# Altium PCB main.PcbDoc (part 3 of 3)
Units mm, origin at the board's own origin, x right, y up, seen from the top; angles counter-clockwise.
Board outline 90 x 82 mm, 6 copper layers (Layer 1 SIG, Layer 2 GND, Layer 3 SIG, Layer 4 GND, Layer 5 GND, Layer 6 PWR), stack 1.548 mm thick; 228 components, 153 nets, 809 pads, 905 vias.
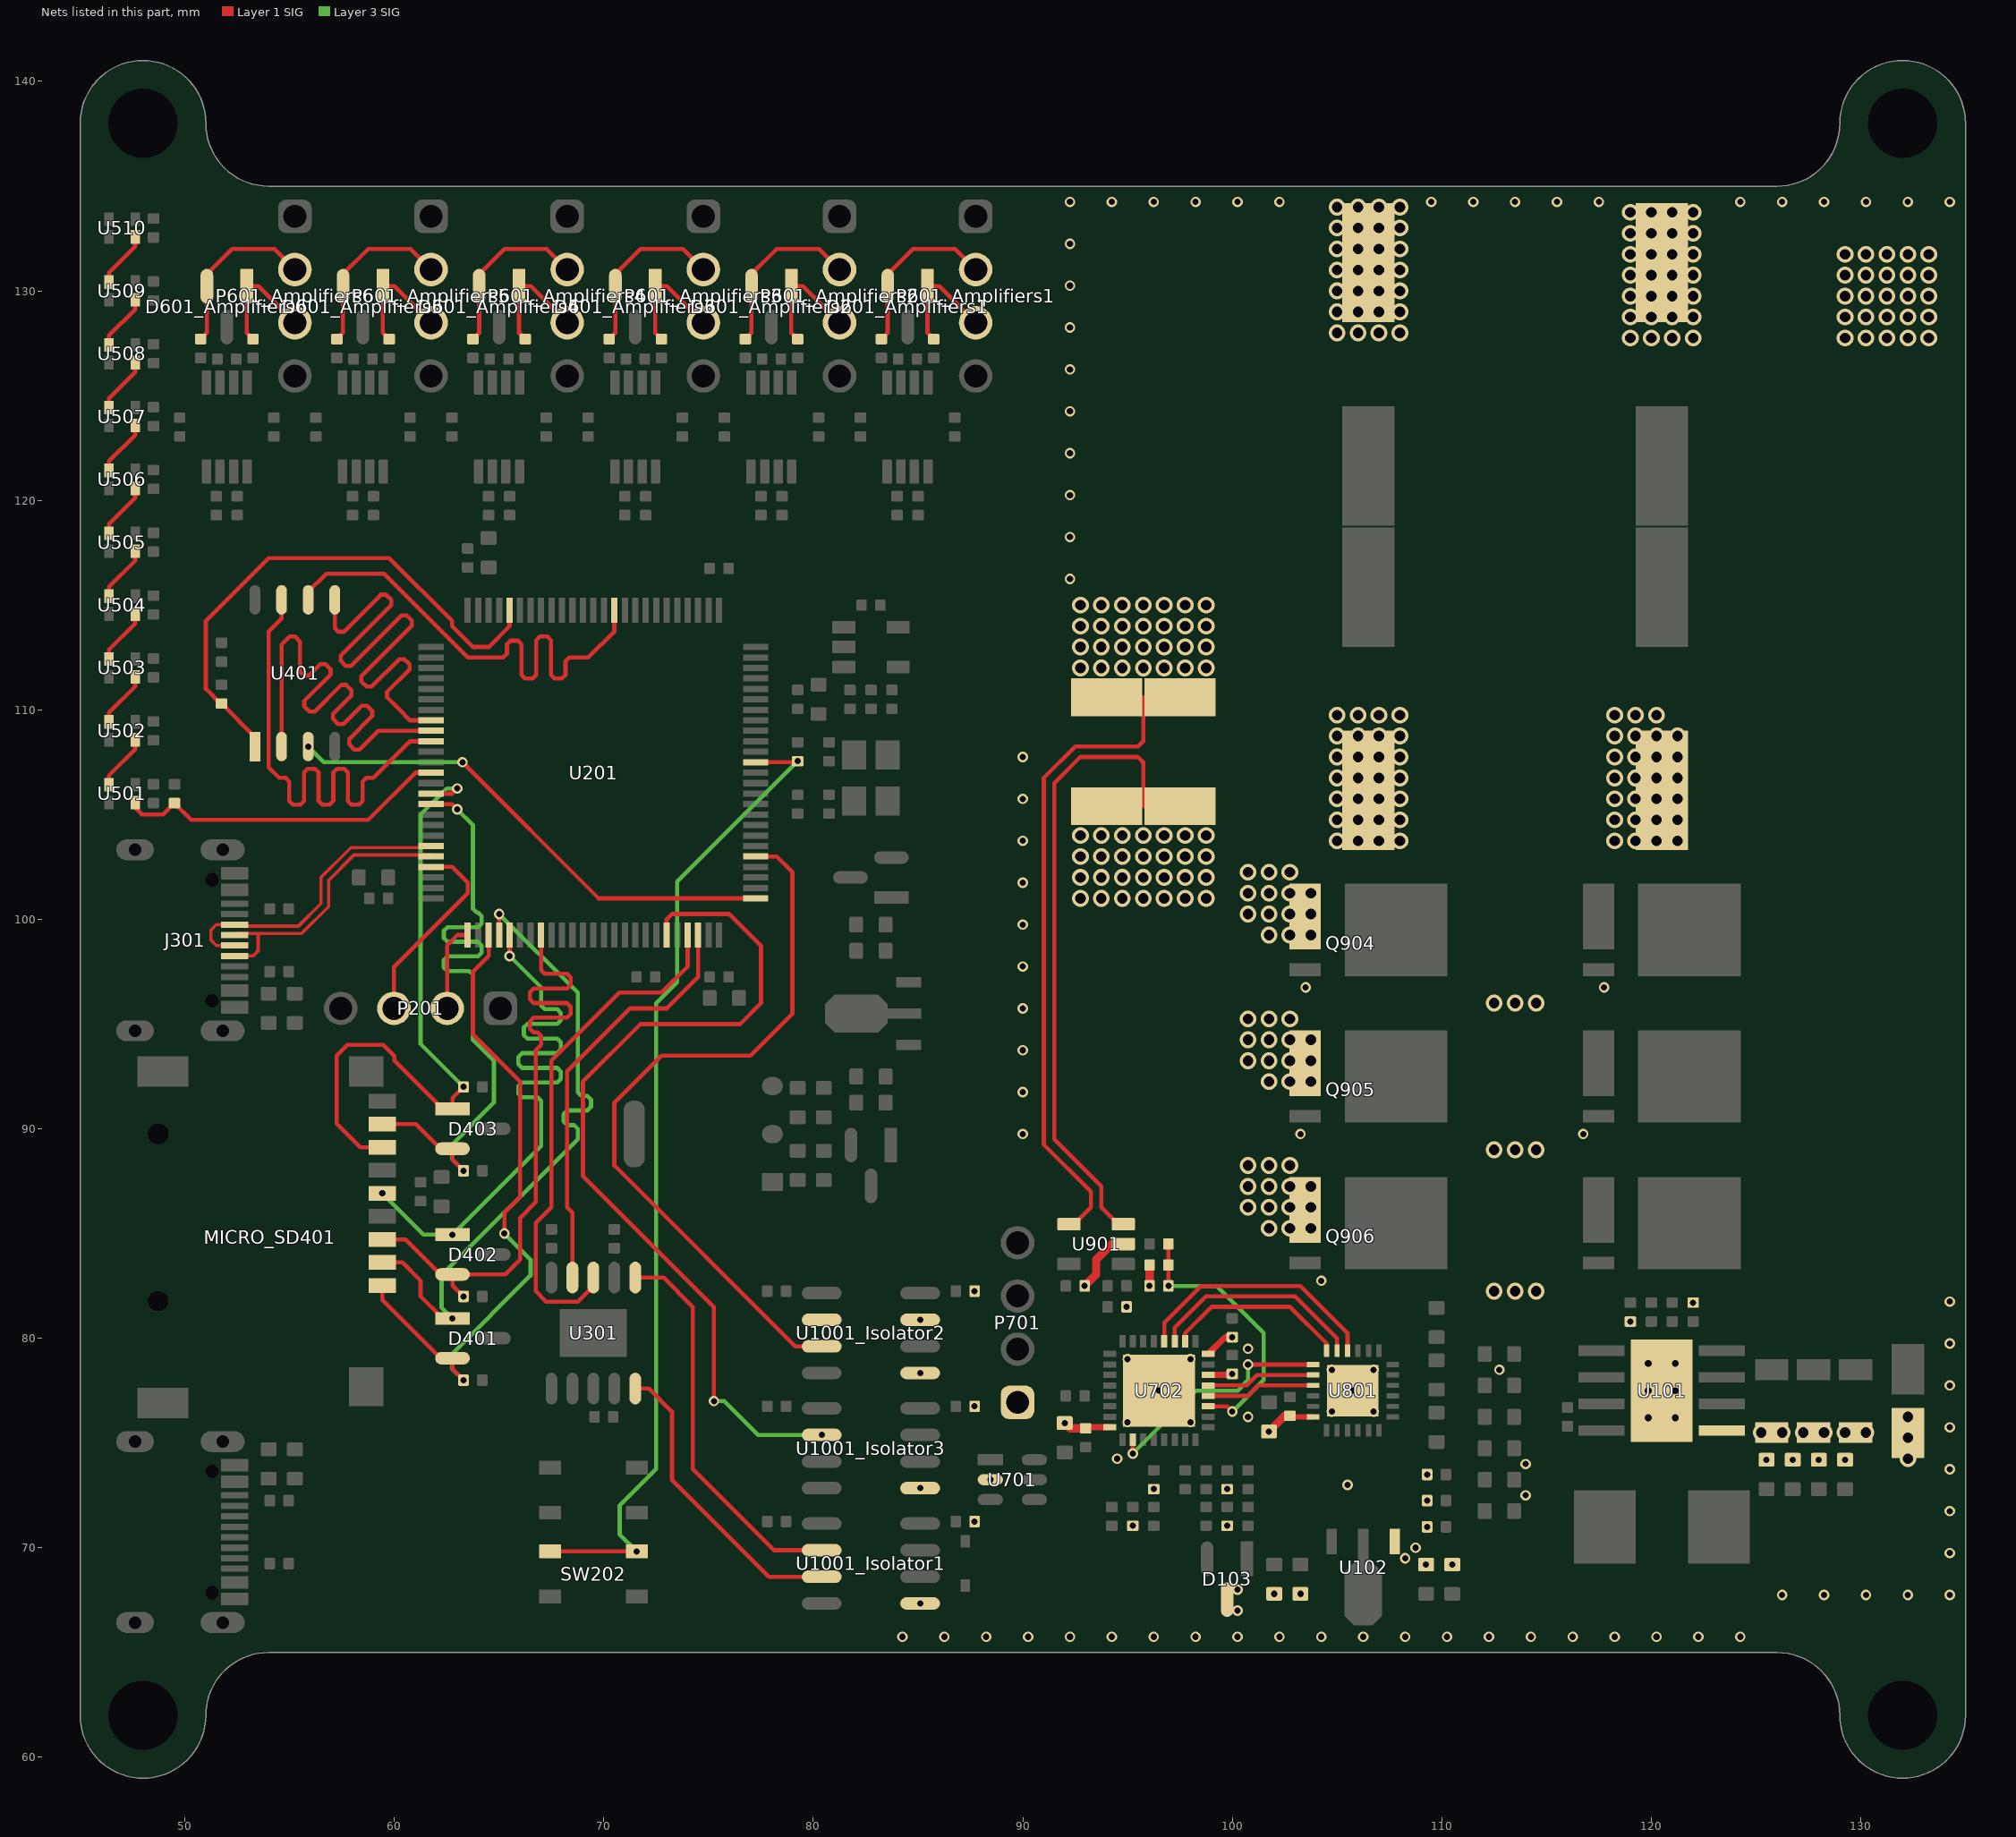
[diagram p7: the nets of this part, all layers, seen from the top]

## Via types
v1: diameter 0.5, hole 0.3, Layer 1 SIG to Layer 6 PWR, tented both sides, 471 vias
v2: diameter 0.8, hole 0.5, Layer 1 SIG to Layer 6 PWR, tented both sides, 428 vias
v3: diameter 0.63, hole 0.33, Layer 1 SIG to Layer 6 PWR, 6 vias

## Nets (pads, with @x,y where several pads share a name; then routed paths per layer and width w, separated by ;. In a path a pad name is that pad's centre, name@x,y a point inside that pad or via, vN(x,y) a via of type N, cw(c..) or ccw(c..) an arc to the next point about the centre after c; other vN are vias at no path point) (continued)
NetU201_5: U201.5 U1001_Isolator2.3 | length 35.5
  Layer 1 SIG w0.2: U201.5@77.25,103 78.25,103 79,102.25 79,95.5 77,93.5 72.75,93.5 70.5,91.25 70.5,88.25 79.135,79.615 U1001_Isolator2.3@80.4,79.615
NetU201_95: U201.95 U1001_Isolator3.2 | length 42.4
  Layer 1 SIG w0.2: U201.95@73,99.25 73,100 73.25,100.25 76,100.25 77.5,98.75 77.5,96 76.5,95 71.75,95 69,92.25 69,87.75 75.25,81.5 v1(75.25,77)
  Layer 3 SIG w0.2: v1(75.25,77) 75.75,77 77.365,75.385 v1(80.4,75.385)
NetU501_1: U501.1 U502.4 | length 2.7
  Layer 1 SIG w0.2: U501.1@46.375,106.425 46.375,106.875 47.625,108.125 U502.4@47.625,108.575
NetU502_1: U502.1 U503.4 | length 2.7
  Layer 1 SIG w0.2: U502.1@46.375,109.425 46.375,109.875 47.625,111.125 U503.4@47.625,111.575
NetU503_1: U503.1 U504.4 | length 2.7
  Layer 1 SIG w0.2: U503.1@46.375,112.425 46.375,112.875 47.625,114.125 U504.4@47.625,114.575
NetU504_1: U504.1 U505.4 | length 2.7
  Layer 1 SIG w0.2: U504.1@46.375,115.425 46.375,115.875 47.625,117.125 U505.4@47.625,117.575
NetU505_1: U505.1 U506.4 | length 2.7
  Layer 1 SIG w0.2: U505.1@46.375,118.425 46.375,118.875 47.625,120.125 U506.4@47.625,120.575
NetU506_1: U506.1 U507.4 | length 2.7
  Layer 1 SIG w0.2: U506.1@46.375,121.425 46.375,121.875 47.625,123.125 U507.4@47.625,123.575
NetU507_1: U507.1 U508.4 | length 2.7
  Layer 1 SIG w0.2: U507.1@46.375,124.425 46.375,124.875 47.625,126.125 U508.4@47.625,126.575
NetU508_1: U508.1 U509.4 | length 2.7
  Layer 1 SIG w0.2: U508.1@46.375,127.425 46.375,127.875 47.625,129.125 U509.4@47.625,129.575
NetU509_1: U509.1 U510.4 | length 2.7
  Layer 1 SIG w0.2: U509.1@46.375,130.425 46.375,130.875 47.625,132.125 U510.4@47.625,132.575
NetU1001_Isolator2_2: U1001_Isolator2.2
NRST: C213.1 SW202.1 SW202.2 U201.14 | length 47.8
  Layer 1 SIG w0.2: SW202.1@67.425,69.825 v1(71.575,69.825) ; U201.14@77.25,107.5 79.2,107.5 v1(79.25,107.55)
  Layer 3 SIG w0.2: v1(71.575,69.825) 70.75,70.65 70.75,72 72.5,73.75 72.5,96 73.5,97 73.5,101.8 v1(79.25,107.55)
PGND: C102.2 C103.2 C104.2 C105.2 C106.2 C107.2 C108.2 C113.2 C114.2 C115.2 C116.2 C701.2 C702.2 C703.2 C704.2 C705.2 C801.2 C802.2 C903.1 C904.1 C905.2 C906.2 C907.2 C1002_Isolator1.2 C1002_Isolator2.2 C1002_Isolator3.2 D101.2 D103.3 P701.1 R102.2 R104.2 R709.2 R710.2 R711.2 R907.2 R908.2 R911.2 R912.2 R913.2 R914.2 U101.1 U101.9 U102.1 U701.2 U702.14 U702.16 U702.32 U702.33 U801.6 U801.25 U901.2 U901.4 U1001_Isolator1.5 U1001_Isolator2.5 U1001_Isolator2.7 U1001_Isolator3.5 | length 41.8
  Layer 1 SIG w0.2: U901.4@92.2,85.45 92.45,85.45 93.25,86.25 93.25,87 91,89.25 91,106.75 92.5,108.25 95.5,108.25 95.75,108.5 95.75,110.6
  Layer 1 SIG w0.25: C802.2@102.75,76.3 102.8,76.25 U801.6@103.85,76.25
  Layer 1 SIG w0.3: C702.2@93,75.7 93.05,75.75 U702.32@94.15,75.75 ; U702.14@98.85,78.25 99.95,78.25 v1(100,78.3) ; U702.16@98.85,79.25 99.65,80.05 v1(100,80.05)
  Layer 1 SIG w0.4: v1(92,75.95) 92.25,75.7 C702.2@93,75.7 ; v1(92.95,82.5) 93.5,83.05 93.5,83.75 94.25,84.5 U901.2@94.8,84.5 ; v1(96.05,82.5) R911.2@96.05,83.5 ; v1(101.75,75.55) 102.5,76.3 C802.2@102.75,76.3
  other v1: 84.25,65.75 86.25,65.75 88.25,65.75 90.25,65.75 92.25,65.75 94.25,65.75 96.25,65.75 98.25,65.75 100.25,65.75 102.25,65.75 104.25,65.75 106.25,65.75 108.25,65.75 110.25,65.75 112.25,65.75 114.25,65.75 116.25,65.75 118.25,65.75 120.25,65.75 122.25,65.75 124.25,65.75 100.25,67 85.1,67.345 126.25,67.75 128.25,67.75 130.25,67.75 132.25,67.75 134.25,67.75 102,67.8 103.25,67.8 100.25,68 109.25,69.2 110.5,69.2 108.25,69.5 134.25,69.75 108.75,70 109.3,71 95.25,71.05 99.75,71.05 87.7,71.25 134.25,71.75 109.3,72.25 114,72.5 96.25,72.8 99.75,72.8 85.1,72.845 105.5,73 88.45,73.25 109.3,73.5 134.25,73.75 114,74 125.5,74.2 126.75,74.2 128,74.2 129.25,74.2 94.5,74.25 134.25,75.75 95,76 98,76 100.75,76.25 104.75,76.5 106.75,76.5 87.7,76.75 96.5,77.5 105.75,77.5 134.25,77.75 85.1,78.345 104.75,78.5 106.75,78.5 112.75,78.5 95,79 98,79 100.75,79.5 134.25,79.75 119,80.8 85.1,80.885 94.95,81.5 122,81.7 134.25,81.75 87.7,82.25 104.25,82.75 90,89.75 103.25,89.75 116.75,89.75 90,91.75 90,93.75 90,95.75 103.5,96.75 117.75,96.75 90,97.75 90,99.75 90,101.75 90,103.75 90,105.75 90,107.75 92.25,116.25 92.25,118.25 92.25,120.25 92.25,122.25 92.25,124.25 92.25,126.25 92.25,128.25 92.25,130.25 92.25,132.25 92.25,134.25 94.25,134.25 96.25,134.25 98.25,134.25 100.25,134.25 102.25,134.25 109.5,134.25 111.5,134.25 113.5,134.25 115.5,134.25 117.5,134.25 124.25,134.25 126.25,134.25 128.25,134.25 130.25,134.25 132.25,134.25 134.25,134.25
  other v2: 132.25,74.25 132.25,75.25 125.25,75.5 126.25,75.5 127.25,75.5 128.25,75.5 129.25,75.5 130.25,75.5 132.25,76.25 112.5,82.25 113.5,82.25 114.5,82.25 112.5,89 113.5,89 114.5,89 112.5,96 113.5,96 114.5,96 92.75,112 93.75,112 94.75,112 95.75,112 96.75,112 97.75,112 98.75,112 92.75,113 93.75,113 94.75,113 95.75,113 96.75,113 97.75,113 98.75,113 92.75,114 93.75,114 94.75,114 95.75,114 96.75,114 97.75,114 98.75,114 92.75,115 93.75,115 94.75,115 95.75,115 96.75,115 97.75,115 98.75,115 119,127.75 120,127.75 121,127.75 122,127.75 129.25,127.75 130.25,127.75 131.25,127.75 132.25,127.75 133.25,127.75 105,128 106,128 107,128 108,128 119,128.75 120,128.75 121,128.75 122,128.75 129.25,128.75 130.25,128.75 131.25,128.75 132.25,128.75 133.25,128.75 105,129 106,129 107,129 108,129 119,129.75 120,129.75 121,129.75 122,129.75 129.25,129.75 130.25,129.75 131.25,129.75 132.25,129.75 133.25,129.75 105,130 106,130 107,130 108,130 119,130.75 120,130.75 121,130.75 122,130.75 129.25,130.75 130.25,130.75 131.25,130.75 132.25,130.75 133.25,130.75 105,131 106,131 107,131 108,131 119,131.75 120,131.75 121,131.75 122,131.75 129.25,131.75 130.25,131.75 131.25,131.75 132.25,131.75 133.25,131.75 105,132 106,132 107,132 108,132 119,132.75 120,132.75 121,132.75 122,132.75 105,133 106,133 107,133 108,133 119,133.75 120,133.75 121,133.75 122,133.75 105,134 106,134 107,134 108,134
  other v3: 119.85,76.2 121.15,76.2 119.85,77.5 121.15,77.5 119.85,78.8 121.15,78.8
PWM_H_A: U702.20 U801.22 | length 12.2
  Layer 1 SIG w0.2: U702.20@96.75,79.85 96.75,80.75 98.5,82.5 103.25,82.5 105.5,80.25 U801.22@105.5,79.4
PWM_H_B: U702.19 U801.23 | length 10.4
  Layer 1 SIG w0.2: U702.19@97.25,79.85 97.25,80.5 98.75,82 103,82 105,80 U801.23@105,79.4
PWM_H_C: U702.18 U801.24 | length 8.7
  Layer 1 SIG w0.2: U702.18@97.75,79.85 97.75,80.25 99,81.5 102.75,81.5 104.5,79.75 U801.24@104.5,79.4
PWM_L_A: U702.2 U801.1 | length 11.4
  Layer 1 SIG w0.2: v1(95.25,74.5) U702.2@95.25,75.15 ; v1(100.75,78.75) U801.1@103.85,78.75
  Layer 3 SIG w0.2: v1(95.25,74.5) 98.25,77.5 100.25,77.5 100.75,78 v1(100.75,78.75)
PWM_L_B: U702.13 U801.2 | length 5.2
  Layer 1 SIG w0.2: U702.13@98.85,77.75 100.684,77.75 101.184,78.25 U801.2@103.85,78.25
PWM_L_C: U702.12 U801.3 | length 5.2
  Layer 1 SIG w0.2: U702.12@98.85,77.25 100.75,77.25 101.25,77.75 U801.3@103.85,77.75
QSPI_CLK: U201.36 U401.6 | length 25.1
  Layer 1 SIG w0.2: U401.6@55.885,115.25 55.885,115.635 56.75,116.5 59.5,116.5 63.5,112.5 65.096,112.5 65.196,112.5 65.371,112.675 65.371,113.13 65.546,113.305 65.896,113.305 66.071,113.13 66.071,111.675 66.246,111.5 66.596,111.5 66.771,111.675 66.771,113.325 66.946,113.5 67.296,113.5 67.471,113.325 67.471,111.675 67.646,111.5 67.996,111.5 68.171,111.675 68.171,112.325 68.346,112.5 68.923,112.5 69.25,112.5 70.5,113.75 U201.36@70.5,114.75
QSPI_IO0: U201.58 U401.5 | length 25
  Layer 1 SIG w0.2: U401.5@57.155,115.25 57.155,114.142 57.155,113.903 57.33,113.728 57.577,113.728 59.351,115.502 59.598,115.502 59.846,115.254 59.846,115.007 57.432,112.593 57.432,112.345 57.68,112.098 57.927,112.098 60.341,114.512 60.588,114.512 60.836,114.264 60.836,114.017 58.422,111.603 58.422,111.355 58.67,111.108 58.917,111.108 60.231,112.422 60.479,112.422 60.726,112.175 60.726,111.927 59.648,110.849 59.648,110.602 60.143,110.107 60.214,110.036 60.75,109.5 U201.58@61.75,109.5
QSPI_IO1: U201.59 U401.2 | length 25.2
  Layer 1 SIG w0.2: U401.2@54.615,108.25 54.615,113.115 55,113.5 55.25,113.5 55.5,113.25 55.5,111.954 55.5,111.812 55.675,111.637 55.922,111.637 56.465,112.179 56.712,112.179 56.959,111.932 56.959,111.684 55.694,110.419 55.694,110.171 55.941,109.924 56.189,109.924 57.454,111.189 57.702,111.189 57.949,110.942 57.949,110.694 57.071,109.816 57.071,109.568 57.318,109.321 57.566,109.321 58.444,110.199 58.692,110.199 58.939,109.952 58.939,109.704 57.838,108.603 57.838,108.355 58.085,108.108 58.333,108.108 59.225,109 59.75,109 U201.59@61.75,109
QSPI_IO2: U201.1 U401.3 | length 24.4
  Layer 1 SIG w0.2: v1(63.25,107.5) 69.75,101 U201.1@77.25,101
  Layer 3 SIG w0.2: v1(55.885,108.25) 56.635,107.5 v1(63.25,107.5)
QSPI_IO3: U201.60 U401.7 | length 25.1
  Layer 1 SIG w0.2: U401.7@54.615,115.25 54.615,114.365 54,113.75 54,107.25 54.5,106.75 54.807,106.75 54.982,106.575 54.982,105.648 55.157,105.473 55.507,105.473 55.682,105.648 55.682,107.006 55.857,107.181 56.207,107.181 56.382,107.006 56.382,105.648 56.557,105.473 56.907,105.473 57.082,105.648 57.082,107.006 57.257,107.181 57.607,107.181 57.782,107.006 57.782,105.648 57.957,105.473 58.307,105.473 58.482,105.648 58.482,106.575 58.657,106.75 58.757,106.75 59,106.75 60.75,108.5 U201.60@61.75,108.5
QSPI_NCS: R401.2 U201.46 U401.1 | length 25.8
  Layer 1 SIG w0.2: U401.1@53.345,108.25 53.345,108.705 R401.2@51.75,110.3 51.7,110.3 51,111 51,114.25 54,117.25 59.75,117.25 62.75,114.25 62.75,114 63.75,113 64.5,113 65.5,114 U201.46@65.5,114.75
RGB_DAT: R501.2 U201.63 U501.4 | length 16
  Layer 1 SIG w0.2: U501.4@47.625,105.575 47.625,105.322 47.947,105 48.95,105 R501.2@49.5,105.55 50.3,104.75 58.75,104.75 61,107 U201.63@61.75,107
RXD0: U201.98 U301.9 | length 20.1
  Layer 1 SIG w0.2: U301.9@68.5,82.9 68.5,86 68.25,86.25 68.25,92.75 71.25,95.75 73,95.75 74.5,97.25 U201.98@74.5,99.25
RXD1: U301.6 U1001_Isolator1.2 | length 18.8
  Layer 1 SIG w0.2: U301.6@71.5,82.9 72.85,82.9 74.25,81.5 74.25,73.75 78.115,69.885 U1001_Isolator1.2@80.4,69.885
SD_CLK: D402.1 MICRO_SD401.5 U201.80 | length 31.1
  Layer 1 SIG w0.2: v1(65.5,98.25) U201.80@65.5,99.25
  Layer 3 SIG w0.2: v1(59.424,86.92) 61.394,84.95 v1(62.775,84.95) 67,89.175 67,91.234 67,91.334 66.825,91.509 66.093,91.509 65.918,91.684 65.918,92.034 66.093,92.209 67.777,92.209 67.952,92.384 67.952,92.734 67.777,92.909 66.093,92.909 65.918,93.084 65.918,93.434 66.093,93.609 67.777,93.609 67.952,93.784 67.952,94.134 67.777,94.309 66.355,94.309 66.18,94.484 66.18,94.834 66.355,95.009 67.777,95.009 67.952,95.184 67.952,95.534 67.777,95.709 67.175,95.709 67,95.884 67,96.405 67,96.75 v1(65.5,98.25)
SD_CMD: D402.2 MICRO_SD401.3 R402.2 U201.83 | length 31.5
  Layer 1 SIG w0.2: MICRO_SD401.3@59.424,84.72 60.53,84.72 62.2,83.05 D402.2@62.775,83.05 ; v1(63.3,82) 62.775,82.525 D402.2@62.775,83.05 ; U201.83@67,99.25 67,98.314 67,97.578 67.175,97.403 68.237,97.403 68.412,97.228 68.412,96.878 68.237,96.703 66.64,96.703 66.465,96.528 66.465,96.178 66.64,96.003 68.237,96.003 68.412,95.828 68.412,95.478 68.237,95.303 66.64,95.303 66.465,95.128 66.465,94.778 66.64,94.603 66.825,94.603 67,94.428 67,94.328 67,94 66.75,93.75 66.75,86.5 66,85.75 66,83.75 65.3,83.05 D402.2@62.775,83.05
SD_DAT0: D403.1 MICRO_SD401.7 R403.2 U201.65 | length 31.8
  Layer 1 SIG w0.2: MICRO_SD401.7@59.424,89.12 58.38,89.12 57.25,90.25 57.25,93.5 57.75,94 59.475,94 60,93.475 60,93.25 62.3,90.95 D403.1@62.775,90.95 62.775,91.475 v1(63.3,92) ; U201.65@61.75,106 62.75,106 v1(63,106.25)
  Layer 3 SIG w0.2: v1(63,106.25) 62.5,106.25 61.25,105 61.25,94.05 v1(63.3,92)
SD_DAT1: D403.2 MICRO_SD401.8 R404.2 U201.66 | length 31.7
  Layer 1 SIG w0.2: MICRO_SD401.8@59.424,90.22 61.03,90.22 62.2,89.05 D403.2@62.775,89.05 62.775,88.525 v1(63.3,88) ; U201.66@61.75,105.5 62.75,105.5 v1(63,105.25)
  Layer 3 SIG w0.2: v1(63,105.25) 63.75,104.5 63.75,100.979 63.75,100.504 63.925,100.329 63.994,100.329 64.169,100.154 64.169,99.804 63.994,99.629 62.533,99.629 62.358,99.454 62.358,99.104 62.533,98.929 63.994,98.929 64.169,98.754 64.169,98.404 63.994,98.229 62.533,98.229 62.358,98.054 62.358,97.704 62.533,97.529 63.575,97.529 63.75,97.354 63.75,97.253 63.75,94.25 64.75,93.25 64.75,91.25 62.75,89.25 62.75,88.55 v1(63.3,88)
SD_DAT2: D401.2 MICRO_SD401.1 R405.2 U201.78 | length 31.6
  Layer 1 SIG w0.2: MICRO_SD401.1@59.424,82.52 59.424,81.826 62.2,79.05 D401.2@62.775,79.05 62.775,78.525 v1(63.3,78) ; U201.78@64.5,99.25 64.5,98.25 63.75,97.5 63.75,94.5 66,92.25 66,86.75 65.25,86 v1(65.25,85)
  Layer 3 SIG w0.2: v1(63.3,78) 62.75,78.55 62.75,79.25 66.5,83 66.5,83.75 v1(65.25,85)
SD_DAT3: D401.1 MICRO_SD401.2 U201.79 | length 31.7
  Layer 1 SIG w0.2: MICRO_SD401.2@59.424,83.62 60.38,83.62 61.25,82.75 61.25,82 62.3,80.95 v1(62.775,80.95) ; U201.79@65,99.25 v1(65,100.25)
  Layer 3 SIG w0.2: v1(62.775,80.95) 62.25,81.475 62.25,83 68.75,89.5 68.75,89.901 68.75,90.001 68.575,90.176 68.245,90.176 68.07,90.351 68.07,90.701 68.245,90.876 69.208,90.876 69.383,91.051 69.383,91.401 69.208,91.576 68.925,91.576 68.75,91.751 68.75,91.86 68.75,96.5 v1(65,100.25)
SIG+_Amplifiers1: D601_Amplifiers1.2 P601_Amplifiers1.2 R604_Amplifiers1.1 | length 8.3
  Layer 1 SIG w0.2: R604_Amplifiers1.1@83.25,127.7 83.55,128 D601_Amplifiers1.2@83.55,130.225 83.55,130.8 84.75,132 86.77,132 P601_Amplifiers1.2@87.75,131.02
SIG+_Amplifiers2: D601_Amplifiers2.2 P601_Amplifiers2.2 R604_Amplifiers2.1 | length 8.3
  Layer 1 SIG w0.2: R604_Amplifiers2.1@76.75,127.7 77.05,128 D601_Amplifiers2.2@77.05,130.225 77.05,130.8 78.25,132 80.27,132 P601_Amplifiers2.2@81.25,131.02
SIG+_Amplifiers3: D601_Amplifiers3.2 P601_Amplifiers3.2 R604_Amplifiers3.1 | length 8.3
  Layer 1 SIG w0.2: R604_Amplifiers3.1@70.25,127.7 70.55,128 D601_Amplifiers3.2@70.55,130.225 70.55,130.8 71.75,132 73.77,132 P601_Amplifiers3.2@74.75,131.02
SIG+_Amplifiers4: D601_Amplifiers4.2 P601_Amplifiers4.2 R604_Amplifiers4.1 | length 8.3
  Layer 1 SIG w0.2: R604_Amplifiers4.1@63.75,127.7 64.05,128 D601_Amplifiers4.2@64.05,130.225 64.05,130.8 65.25,132 67.27,132 P601_Amplifiers4.2@68.25,131.02
SIG+_Amplifiers5: D601_Amplifiers5.2 P601_Amplifiers5.2 R604_Amplifiers5.1 | length 8.3
  Layer 1 SIG w0.2: R604_Amplifiers5.1@57.25,127.7 57.55,128 D601_Amplifiers5.2@57.55,130.225 57.55,130.8 58.75,132 60.77,132 P601_Amplifiers5.2@61.75,131.02
SIG+_Amplifiers6: D601_Amplifiers6.2 P601_Amplifiers6.2 R604_Amplifiers6.1 | length 8.3
  Layer 1 SIG w0.2: R604_Amplifiers6.1@50.75,127.7 51.05,128 D601_Amplifiers6.2@51.05,130.225 51.05,130.8 52.25,132 54.27,132 P601_Amplifiers6.2@55.25,131.02
SIG-_Amplifiers1: D601_Amplifiers1.1 P601_Amplifiers1.3 R602_Amplifiers1.1 | length 5.7
  Layer 1 SIG w0.2: R602_Amplifiers1.1@85.75,127.7 85.45,128 D601_Amplifiers1.1@85.45,130.225 86.005,130.225 P601_Amplifiers1.3@87.75,128.48
SIG-_Amplifiers2: D601_Amplifiers2.1 P601_Amplifiers2.3 R602_Amplifiers2.1 | length 5.7
  Layer 1 SIG w0.2: R602_Amplifiers2.1@79.25,127.7 78.95,128 D601_Amplifiers2.1@78.95,130.225 79.505,130.225 P601_Amplifiers2.3@81.25,128.48
SIG-_Amplifiers3: D601_Amplifiers3.1 P601_Amplifiers3.3 R602_Amplifiers3.1 | length 5.7
  Layer 1 SIG w0.2: R602_Amplifiers3.1@72.75,127.7 72.45,128 D601_Amplifiers3.1@72.45,130.225 73.005,130.225 P601_Amplifiers3.3@74.75,128.48
SIG-_Amplifiers4: D601_Amplifiers4.1 P601_Amplifiers4.3 R602_Amplifiers4.1 | length 5.7
  Layer 1 SIG w0.2: R602_Amplifiers4.1@66.25,127.7 65.95,128 D601_Amplifiers4.1@65.95,130.225 66.505,130.225 P601_Amplifiers4.3@68.25,128.48
SIG-_Amplifiers5: D601_Amplifiers5.1 P601_Amplifiers5.3 R602_Amplifiers5.1 | length 5.7
  Layer 1 SIG w0.2: R602_Amplifiers5.1@59.75,127.7 59.45,128 D601_Amplifiers5.1@59.45,130.225 60.005,130.225 P601_Amplifiers5.3@61.75,128.48
SIG-_Amplifiers6: D601_Amplifiers6.1 P601_Amplifiers6.3 R602_Amplifiers6.1 | length 5.7
  Layer 1 SIG w0.2: R602_Amplifiers6.1@53.25,127.7 52.95,128 D601_Amplifiers6.1@52.95,130.225 53.505,130.225 P601_Amplifiers6.3@55.25,128.48
SWCLK: P201.2 U201.76 | length 4.2
  Layer 1 SIG w0.2: P201.2@62.52,95.75 62.52,98.77 63,99.25 U201.76@63.5,99.25
SWDIO: P201.3 U201.72 | length 9.5
  Layer 1 SIG w0.2: P201.3@59.98,95.75 59.98,97.73 63.5,101.25 63.5,101.75 62.75,102.5 U201.72@61.75,102.5
TXD0: U201.97 U301.8 | length 24.8
  Layer 1 SIG w0.2: U301.8@69.5,82.9 69.5,82.5 68.75,81.75 67.25,81.75 66.75,82.25 66.75,85.5 67.5,86.25 67.5,93.25 70.75,96.5 72.75,96.5 74,97.75 U201.97@74,99.25
TXD1: U301.5 U1001_Isolator1.3 | length 14.5
  Layer 1 SIG w0.2: U301.5@71.5,77.6 72.15,77.6 73.25,76.5 73.25,73.25 77.885,68.615 U1001_Isolator1.3@80.4,68.615
USB_D_N: J301.A7 J301.B7 U201.70 | length 14.7
  Layer 1 SIG w0.158: J301.A7@52.379,98.75 51.5,98.75 51.25,99 51.25,99.5 51.5,99.75 J301.B7@52.379,99.75 52.45,99.679 55,99.679 55.423,99.679 56.5,100.756 56.5,102.006 57.923,103.429 61.679,103.429 U201.70@61.75,103.5
USB_D_P: J301.A6 J301.B6 U201.71 | length 13.8
  Layer 1 SIG w0.158: J301.B6@52.379,98.25 53.25,98.25 53.5,98.5 53.5,99.321 ; J301.A6@52.379,99.25 52.45,99.321 53.5,99.321 ; U201.71@61.75,103 61.679,103.071 58.071,103.071 56.857,101.858 56.857,100.608 55.571,99.321 53.5,99.321
V_SENSE: C907.1 R910.1 R911.1 U702.11 | length 13.1
  Layer 1 SIG w0.2: v1(96.95,82.5) R911.1@96.95,83.5 R910.1@96.95,84.5 ; U702.11@98.85,76.75 99.75,76.75 v1(100,76.5)
  Layer 3 SIG w0.2: v1(96.95,82.5) 99.25,82.5 101.5,80.25 101.5,78 v1(100,76.5)
VGND: C901.1 C902.1 Q904.1-2-3 Q905.1-2-3 Q906.1-2-3 R907.1 R908.1 U901.3 | length 29.5
  Layer 1 SIG w0.2: U901.3@94.8,85.45 94.55,85.45 93.75,86.25 93.75,87.25 91.5,89.5 91.5,106.5 92.75,107.75 95.5,107.75 95.758,107.492 95.758,105.4
  other v2: 101.75,85.25 102.75,85.25 103.75,85.25 100.75,86.25 101.75,86.25 102.75,86.25 103.75,86.25 100.75,87.25 101.75,87.25 102.75,87.25 103.75,87.25 100.75,88.25 101.75,88.25 102.75,88.25 101.75,92.25 102.75,92.25 103.75,92.25 100.75,93.25 101.75,93.25 102.75,93.25 103.75,93.25 100.75,94.25 101.75,94.25 102.75,94.25 103.75,94.25 100.75,95.25 101.75,95.25 102.75,95.25 101.75,99.25 102.75,99.25 103.75,99.25 100.75,100.25 101.75,100.25 102.75,100.25 103.75,100.25 92.75,101 93.75,101 94.75,101 95.75,101 96.75,101 97.75,101 98.75,101 100.75,101.25 101.75,101.25 102.75,101.25 103.75,101.25 92.75,102 93.75,102 94.75,102 95.75,102 96.75,102 97.75,102 98.75,102 100.75,102.25 101.75,102.25 102.75,102.25 92.75,103 93.75,103 94.75,103 95.75,103 96.75,103 97.75,103 98.75,103 105,103.75 106,103.75 107,103.75 108,103.75 118.25,103.75 119.25,103.75 120.25,103.75 121.25,103.75 92.75,104 93.75,104 94.75,104 95.75,104 96.75,104 97.75,104 98.75,104 105,104.75 106,104.75 107,104.75 108,104.75 118.25,104.75 119.25,104.75 120.25,104.75 121.25,104.75 105,105.75 106,105.75 107,105.75 108,105.75 118.25,105.75 119.25,105.75 120.25,105.75 121.25,105.75 105,106.75 106,106.75 107,106.75 108,106.75 118.25,106.75 119.25,106.75 120.25,106.75 121.25,106.75 105,107.75 106,107.75 107,107.75 108,107.75 118.25,107.75 119.25,107.75 120.25,107.75 121.25,107.75 105,108.75 106,108.75 107,108.75 108,108.75 118.25,108.75 119.25,108.75 120.25,108.75 121.25,108.75 105,109.75 106,109.75 107,109.75 108,109.75 118.25,109.75 119.25,109.75 120.25,109.75
pads on no net: J301.6 J301.7 J301.A8 J301.B8 J302.6 J302.7 J302.A8 J302.B8 MICRO_SD401. MICRO_SD401.CD1 U101.6 U201.2 U201.3 U201.7 U201.8 U201.9 U201.15 U201.16 U201.17 U201.18 U201.22 U201.23 U201.24 U201.25 U201.34 U201.35 U201.37 U201.38 U201.39 U201.40 U201.41 U201.42 U201.43 U201.44 U201.45 U201.47 U201.51 U201.52 U201.53 U201.54 U201.55 U201.56 U201.57 U201.61 U201.62 U201.64 U201.67 U201.68 U201.69 U201.77 U201.81 U201.82 U201.84 U201.85 U201.86 U201.87 U201.88 U201.89 U201.90 U201.91 U201.92 U201.93 U201.96 U510.1 U702.21 U702.22 U702.25 U702.26 U702.27 U702.28 U702.30 U702.31 U801.5 U801.7 U801.8 U801.21

## Polygon pours and split planes (outlines as drawn)
VGND on Layer 5 GND "NONET_L01_P-001" (solid, pour order 37): 108.5,103.3 108.5,110.27 103.17,110.27 97.4,104.5 92.3,104.5 92.3,90.7 98.435,84.565 104.23,84.565 104.23,87.705 102.25,89.685 102.25,91.085 102.73,91.565 104.23,91.565 104.23,94.705 102.25,96.685 102.25,98.085 102.73,98.565 104.23,98.565 104.23,102.28 105.25,103.3
PGND on Layer 5 GND "NONET_L01_P-001" (solid, remove dead copper, pour order 42): 135,65 83.75,65 83.75,83.75 89.5,89.5 89.5,108 91.75,110.25 91.75,135 135,135
+BATT on Layer 5 GND "NONET_L01_P-001" (solid, pour order 38): 119.37,83.295 135,83.295 135,124.5 119.5,124.5 118.25,124.5 118.25,113 119.5,113 123,109.5 123,103 121.705,101.705 119.37,101.705
GND on Layer 5 GND "NONET_L01_P-001" (solid, remove dead copper, pour order 73): 45,65 81.75,65 81.75,84.75 87.5,90.5 87.5,109 89.75,111.25 89.75,135 45,135
no net on Top Solder "NONET_L01_P-001" (solid): 45,135 45,141 54,141 54,135
no net on Top Solder "NONET_L01_P-001" (solid): 135,135 135,141 126,141 126,135
no net on Top Solder "NONET_L01_P-001" (solid): 135,65 135,59 126,59 126,65
no net on Top Solder "NONET_L01_P-001" (solid): 45,65 45,59 54,59 54,65
no net on Top Solder "NONET_L01_P-001" (solid): 125.5,65 125.5,67 135,67 135,65
no net on Top Solder "NONET_L01_P-001" (solid): 93,113 93.75,112.25 98.25,112.25 99,113 99,129.5 98.25,130.25 97.25,130.25 93,126
no net on Top Solder "NONET_L01_P-001" (solid): 125,84.75 125.75,84 127,84 134,91 134,116 133.25,116.75 128.75,116.75 128,116 128,104 125,101
no net on Top Solder "NONET_L01_P-001" (solid): 93,103 93.75,103.75 101.25,103.75 102,103 102,86 101.25,85.25 98.75,85.25 93,91
no net on Top Solder "NONET_L01_P-001" (solid): 129,132.75 128.25,132 128.25,127.5 129,126.75 135,126.75 135,132.75
no net on Top Solder "NONET_L01_P-001" (solid): 129,123.5 128.25,122.75 128.25,118.25 129,117.5 135,117.5 135,123.5
no net on Top Solder "NONET_L01_P-001" (solid): 111,88 111,83 116,83 116,88
no net on Top Solder "NONET_L01_P-001" (solid): 111,95 111,90 116,90 116,95
no net on Top Solder "NONET_L01_P-001" (solid): 111,102 111,97 116,97 116,102
no net on Top Overlay "NONET_L01_P-001" (solid): 61.75,124 61.25,123 62.25,123
no net on Top Overlay "NONET_L01_P-001" (solid): 90.25,107.75 90,107.5 90,91.5 90.25,91.75
no net on Top Overlay "NONET_L01_P-001" (solid): 87,107 86.75,106.75 86.75,90.75 87,91
no net on Top Overlay "NONET_L01_P-001" (solid): 85.25,90.75 87,92.5 87,91 85.25,89.25
no net on Top Overlay "NONET_L01_P-001" (solid): 85.25,112.25 88,115 88,113.5 85.25,110.75
no net on Top Overlay "NONET_L01_P-001" (solid): 90,107.5 91.75,109.25 91.75,107.75 90,106
no net on Top Overlay "NONET_L01_P-001" (solid): 128.75,81.25 132.75,85.25 134.25,85.25 130.25,81.25
no net on Top Overlay "NONET_L01_P-001" (solid): 125.75,81.25 134.25,89.75 134.25,88.25 127.25,81.25
no net on Top Overlay "NONET_L01_P-001" (solid): 85.25,115.25 89.25,119.25 89.25,117.75 85.25,113.75
no net on Top Overlay "NONET_L01_P-001" (solid): 86.5,119.5 89.25,122.25 89.25,120.75 86.5,118
no net on Top Overlay "NONET_L01_P-001" (solid): 92.25,131.25 95.25,134.25 95.25,132.75 92.25,129.75
no net on Top Overlay "NONET_L01_P-001" (solid): 92.25,128.25 98.25,134.25 99.75,134.25 92.25,126.75
+BATT on Layer 1 SIG "NONET_L01_P-001" (solid, pour order 1): 119.37,83.295 135,83.295 135,124.5 119.5,124.5 105.25,124.5 105.25,113 119.5,113 123,109.5 123,103 121.705,101.705 119.37,101.705
PGND on Layer 1 SIG "Layer 1 SIG-PGND" (solid, pour order 8): 91.75,135 91.75,112.05 92.3,111.5 92.3,109.7 99.2,109.7 99.2,111.5 104,116.3 104,124.75 105,125.75 119,125.75 135,125.75 135,135
GND on Layer 1 SIG "NONET_L01_P-001" (solid, pour order 62): 80.947,102 80.947,98.941 81.744,98.144 82.356,98.144 82.602,98.39 82.602,102
"+3.3 A" on Layer 1 SIG "NONET_L01_P-001" (solid, pour order 61): 83.95,96.75 82.898,97.802 82.898,102.95 84.553,102.95 85.15,102.353 85.15,96.75
"+5 USB" on Layer 1 SIG "NONET_L01_P-001" (solid, pour order 53): 51.729,73.45 53.488,73.45 53.668,73.63 55.25,73.63 55.25,72.97 53.149,72.97 53.029,72.85 51.729,72.85
"+5 USB" on Layer 1 SIG "NONET_L01_P-001" (solid, pour order 52): 53.029,68.05 53.079,68 55.25,68 55.5,68.25 55.1,68.65 51.729,68.65 51.729,68.05
"+5 USB" on Layer 1 SIG "NONET_L01_P-001" (solid, pour order 51): 51.729,96.3 53.488,96.3 53.668,96.12 55.25,96.12 55.25,96.78 53.149,96.78 53.029,96.9 51.729,96.9
"+5 USB" on Layer 1 SIG "NONET_L01_P-001" (solid, pour order 50): 53.029,101.7 53.079,101.75 55.25,101.75 55.5,101.5 55.1,101.1 51.729,101.1 51.729,101.7
"+5 USB" on Layer 1 SIG "Layer 1 SIG-+5 USB" (solid, pour order 49): 78.152,91.25 81,91.25 81.388,91.25 81.768,90.87 82.38,90.87 82.38,93.88 83.55,95.05 83.55,95.95 83.1,96.4 81,96.4 77.35,92.75 73.25,92.75 73,92.5 73,91.75 73.5,91.25
GND on Layer 1 SIG "NONET_L01_P-001" (solid, pour order 47): 83.95,94.25 83.12,93.42 83.12,91.25 83.78,91.25 85.15,92.62 85.15,94.25
GND on Layer 1 SIG "NONET_L01_P-001" (solid, pour order 45): 77.543,87.896 82.419,87.896 82.625,88.102 82.75,88.102 82.75,86.447 78.12,86.447 77.543,87.024
"+3.3 D" on Layer 1 SIG "NONET_L01_P-001" (solid, pour order 44): 71.455,91.341 72.159,91.341 73.314,90.186 78.344,90.186 78.78,89.75 80.97,89.75 81.273,90.053 84.001,90.053 84.001,88.398 71.94,88.398 71.701,88.159 71.455,88.159
"+3.3 A" on Layer 1 SIG "NONET_L01_P-001" (solid, pour order 34): 76.65,110.35 76.65,111.15 77.85,111.15 77.85,110.35
PGND on Layer 1 SIG "NONET_L01_P-001" (solid, pour order 31): 99.75,68.352 101.148,68.352 101.37,68.13 103.63,68.13 103.63,67.518 102.809,66.697 99.75,66.697
"+3.3 ESC" on Layer 1 SIG "NONET_L01_P-001" (solid, pour order 30): 105,70.9 104.5,70.9 103.13,69.53 101.774,69.53 101.001,70.303 98.8,70.303 98.8,68.648 103.948,68.648 105,69.7
PGND on Layer 1 SIG "NONET_L01_P-001" (solid, pour order 28): 108.35,70.9 109.72,69.53 110.797,69.53 110.797,68.87 108.33,68.87 107.5,69.7 107.5,70.9
"+12 BUCK" on Layer 1 SIG "NONET_L01_P-001" (solid, pour order 27): 106.7,69.3 107.87,68.13 110.88,68.13 110.88,67.518 109.662,66.3 106.7,66.3
+BATT on Layer 1 SIG "NONET_L01_P-001" (solid, pour order 12): 133.025,79.725 132.5,80.25 126.2,80.25 124.335,78.385 122.275,78.385 122.275,76.615 124.475,76.615 125.185,77.325 133.025,77.325
PGND on Layer 1 SIG "NONET_L01_P-001" (solid, pour order 11): 133.025,76.675 125.305,76.675 124.88,76.25 122,76.25 119.025,76.25 119.025,75.05 120.325,73.75 132.5,73.75 133.025,74.275
"+12 BUCK" on Layer 1 SIG "NONET_L01_P-001" (solid, pour order 10): 121.75,72.75 122.25,73.25 129.5,73.25 129.75,73 129.75,72.25 126.75,69.25 121.75,69.25
BUCK_PH on Layer 1 SIG "NONET_L01_P-001" (solid, pour order 9): 118.725,73.275 119.25,72.75 119.25,69.25 116.3,69.25 116.3,75.62 116.525,75.845 118.725,75.845
VGND on Layer 1 SIG "NONET_L01_P-001" (solid, pour order 6): 121.75,103.3 121.75,109 119,111.75 104.65,111.75 99.2,106.3 92.3,106.3 92.3,104.5 92.3,90.7 98.435,84.565 104.23,84.565 104.23,87.705 102.25,89.685 102.25,91.085 102.73,91.565 104.23,91.565 104.23,94.705 102.25,96.685 102.25,98.085 102.73,98.565 104.23,98.565 104.23,102.28 105.25,103.3
MOT_C on Layer 1 SIG "NONET_L01_P-001" (solid, pour order 4): 105.37,87.705 105.665,88 117.935,88 118.23,87.705 118.23,84.565 116.73,84.565 116.25,84.085 116.25,83.25 116,83 105.665,83 105.37,83.295
MOT_B on Layer 1 SIG "NONET_L01_P-001" (solid, pour order 3): 105.37,94.705 105.665,95 117.935,95 118.23,94.705 118.23,91.565 116.73,91.565 116.25,91.085 116.25,90.25 116,90 105.665,90 105.37,90.295
MOT_A on Layer 1 SIG "NONET_L01_P-001" (solid, pour order 2): 105.37,101.705 105.665,102 117.935,102 118.23,101.705 118.23,98.565 116.73,98.565 116.25,98.085 116.25,97.25 116,97 105.665,97 105.37,97.295
GND on Layer 3 SIG "NONET_L01_P-001" (solid, remove dead copper, pour order 71): 45,65 81.75,65 81.75,84.75 87.5,90.5 87.5,109 89.75,111.25 89.75,135 45,135
PGND on Layer 3 SIG "NONET_L01_P-001" (solid, remove dead copper, pour order 66): 83.75,65 83.75,80.25 87.25,83.75 100.25,83.75 101.25,82.75 135,82.75 135,65
+BATT on Layer 3 SIG "Layer 3 SIG-+BATT" (solid, pour order 36): 131.75,77.25 132.75,77.25 133.5,78 133.5,81.75 135,83.25 135,124.5 105.25,124.5 105.25,113 119.5,113 123,109.5 123,103 121.705,101.705 119.37,101.705 119.37,83.295 130,83.295 130,113.25 124.75,118.5 123.5,118.5 123.5,119 125,119 130.518,113.482 130.496,78.504
PGND on Layer 3 SIG "Layer 1 SIG-PGND" (solid, pour order 67): 91.75,135 91.75,111.5 99.2,111.5 104,116.3 104,124.75 105,125.75 119,125.75 135,125.75 135,135
VGND on Layer 3 SIG "NONET_L01_P-001" (solid, pour order 40): 121.75,103.3 121.75,109 119,111.75 104.65,111.75 97.4,104.5 92.3,104.5 92.3,90.7 98.435,84.565 104.23,84.565 104.23,87.705 102.25,89.685 102.25,91.085 102.73,91.565 104.23,91.565 104.23,94.705 102.25,96.685 102.25,98.085 102.73,98.565 104.23,98.565 104.23,102.28 105.25,103.3
PGND on Layer 4 GND "NONET_L01_P-001" (solid, remove dead copper, pour order 35): 83.75,65 83.75,80.25 88,84.5 102.25,84.5 102.25,96 103.75,97.5 117.5,97.5 118.25,96.75 118.25,83.75 119.25,82.75 135,82.75 135,65
+BATT on Layer 4 GND "NONET_L01_P-001" (solid, pour order 14): 119.37,83.295 135,83.295 135,124.5 119.5,124.5 105.25,124.5 105.25,113 119.5,113 123,109.5 123,103 121.705,101.705 119.37,101.705
GND on Layer 4 GND "NONET_L01_P-001" (solid, remove dead copper, pour order 65): 45,65 81.75,65 81.75,84.75 87.5,90.5 87.5,109 89.75,111.25 89.75,135 45,135
PGND on Layer 4 GND "Layer 1 SIG-PGND" (solid, pour order 39): 91.75,135 91.75,111.5 99.2,111.5 104,116.3 104,124.75 105,125.75 119,125.75 135,125.75 135,135
VGND on Layer 4 GND "NONET_L01_P-001" (solid, pour order 21): 121.75,103.3 121.75,109 119,111.75 104.65,111.75 97.4,104.5 92.3,104.5 92.3,90.7 98.435,84.565 104.23,84.565 104.23,87.705 102.25,89.685 102.25,91.085 102.73,91.565 104.23,91.565 104.23,94.705 102.25,96.685 102.25,98.085 102.73,98.565 104.23,98.565 104.23,102.28 105.25,103.3
"+3.3 A" on Layer 6 PWR "NONET_L01_P-001" (solid, remove dead copper, pour order 64): 83.25,101 84.75,101 86.5,102.75 86.5,109.25 88.75,111.5 88.75,126.25 52.5,126.25 49.5,123.25 49.5,122.75 50,122.25 83,122.25 84,121.25 84,116.75 82.75,115.5 82.75,114.5 80,111.75 80,104.25
"+12 BUCK" on Layer 6 PWR "NONET_L01_P-001" (solid, remove dead copper, pour order 32): 129.5,73 129.5,72.5 125.25,68.25 123.75,68.25 122,66.5 108,66.5 101,73.5 101,76.75 101.5,77.25 107,77.25 113,71.25 116.25,71.25 118.25,73.25 129.25,73.25
+BATT on Layer 6 PWR "Layer 6 PWR-+BATT" (solid, pour order 23): 135,83.295 135,124.5 105.25,124.5 105.25,113 119.5,113 123,109.5 123,103 121.705,101.705 119.37,101.705 119.37,83.295
"+3.3 D" on Layer 6 PWR "Layer 6 PWR-+3.3 D" (solid, remove dead copper, pour order 63): 76,93.25 77,92.25 77,72.25 78.5,70.75 80,70.75 81.75,72.5 81.75,86.75 86.5,91.5 86.5,97.5 79.75,104.25 79.75,112.75 75.25,117.25 54.5,117.25 51,113.75 51,109 57.25,102.75 57.25,84 63.75,77.5 64.5,77.5 72,85 72,92.25 73,93.25
PGND on Layer 6 PWR "NONET_L01_P-001" (solid, remove dead copper, pour order 56): 83.75,65 83.75,80.25 84.75,81.25 101,81.25 102.25,82.5 102.25,96 103.75,97.5 117.5,97.5 118.25,96.75 118.25,83.75 119.25,82.75 135,82.75 135,65
PGND on Layer 6 PWR "Layer 1 SIG-PGND" (solid, remove dead copper, pour order 43): 91.75,135 91.75,111.5 99.2,111.5 104,116.3 104,124.75 105,125.75 119,125.75 135,125.75 135,135
"+1.65 REF" on Layer 6 PWR "NONET_L01_P-001" (solid, remove dead copper, pour order 69): 51,122 83,122 83.75,121.25 83.75,117 82,115.25 82,114 81.75,113.75 79.5,113.75 72.5,120.75 50.75,120.75 50.5,121 50.5,121.5
"+5 USB" on Layer 6 PWR "Layer 6 PWR-+5 USB" (solid, remove dead copper, pour order 60): 47,74.5 53.75,67.75 65.25,67.75 76.5,79 76.5,92 75.75,92.75 73.25,92.75 72.5,92 72.5,84.75 64.75,77 63.5,77 56.75,83.75 56.75,102.5 49.5,109.75 49.5,133.25 49,133.75 48,133.75 47,132.75
"+3.3 ESC" on Layer 6 PWR "NONET_L01_P-001" (solid, remove dead copper, pour order 33): 88,84.75 91.5,84.75 92.75,83.5 98.25,83.5 100.75,81 100.75,69 100,68.25 89,68.25 86.25,71 86.25,83
VGND on Layer 6 PWR "NONET_L01_P-001" (solid, remove dead copper, pour order 29): 121.75,103.3 121.75,109 119,111.75 104.65,111.75 97.4,104.5 92.3,104.5 92.3,90.7 98.435,84.565 104.23,84.565 104.23,87.705 102.25,89.685 102.25,91.085 102.73,91.565 104.23,91.565 104.23,94.705 102.25,96.685 102.25,98.085 102.73,98.565 104.23,98.565 104.23,102.28 105.25,103.3
VGND on Layer 2 GND "NONET_L01_P-001" (solid, pour order 25): 108.5,103.3 108.5,110.27 103.17,110.27 97.4,104.5 92.3,104.5 92.3,90.7 98.435,84.565 104.23,84.565 104.23,87.705 102.25,89.685 102.25,91.085 102.73,91.565 104.23,91.565 104.23,94.705 102.25,96.685 102.25,98.085 102.73,98.565 104.23,98.565 104.23,102.28 105.25,103.3
PGND on Layer 2 GND "NONET_L01_P-001" (solid, remove dead copper, pour order 41): 135,65 83.75,65 83.75,83.75 89.5,89.5 89.5,108 91.75,110.25 91.75,135 135,135
+BATT on Layer 2 GND "NONET_L01_P-001" (solid, pour order 26): 119.37,83.295 135,83.295 135,124.5 119.5,124.5 118.25,124.5 118.25,113 119.5,113 123,109.5 123,103 121.705,101.705 119.37,101.705
GND on Layer 2 GND "NONET_L01_P-001" (solid, remove dead copper, pour order 72): 45,65 81.75,65 81.75,84.75 87.5,90.5 87.5,109 89.75,111.25 89.75,135 45,135
no net on Bottom Solder "NONET_L01_P-001" (solid): 129,123.5 128.25,122.75 128.25,118.25 129,117.5 135,117.5 135,123.5
no net on Bottom Solder "NONET_L01_P-001" (solid): 129,132.75 128.25,132 128.25,127.5 129,126.75 135,126.75 135,132.75
no net on Bottom Solder "NONET_L01_P-001" (solid): 45,135 45,141 54,141 54,135
no net on Bottom Solder "NONET_L01_P-001" (solid): 135,135 135,141 126,141 126,135
no net on Bottom Solder "NONET_L01_P-001" (solid): 135,65 135,59 126,59 126,65
no net on Bottom Solder "NONET_L01_P-001" (solid): 45,65 45,59 54,59 54,65
no net on Bottom Solder "NONET_L01_P-001" (solid): 125.5,65 125.5,67 135,67 135,65
no net on Bottom Solder "NONET_L01_P-001" (solid): 119.5,79.25 121.5,79.25 121.5,75.75 119.5,75.75
no net on Bottom Overlay "NONET_L01_P-001" (solid): 122.25,129.75 cw(c124.75,129.75) 124.75,132.25 cw(c124.75,129.75) 127.25,129.75 cw(c124.75,129.75) 124.75,127.25 cw(c124.75,129.75)
no net on Bottom Overlay "NONET_L01_P-001" (solid): 122.25,120.5 cw(c124.75,120.5) 124.75,123 cw(c124.75,120.5) 127.25,120.5 cw(c124.75,120.5) 124.75,118 cw(c124.75,120.5)

## Other copper
Layer 1 SIG:
  pour cut-out: 125.25,67.25 125.25,64.75 135.25,64.75 135.25,67.25
  text "Jan 2025" at 88.47,66.741 h1.75
  text "1" at 125.75,65.25 h1.75
Layer 2 GND:
  pour cut-out: 125.25,67.25 125.25,64.75 135.25,64.75 135.25,67.25
  text "2" at 127.25,65.25 h1.75
Layer 3 SIG:
  pour cut-out: 125.25,67.25 125.25,64.75 135.25,64.75 135.25,67.25
  text "3" at 128.75,65.25 h1.75
Layer 4 GND:
  pour cut-out: 125.25,67.25 125.25,64.75 135.25,64.75 135.25,67.25
  text "4" at 130.25,65.25 h1.75
Layer 5 GND:
  pour cut-out: 125.25,67.25 125.25,64.75 135.25,64.75 135.25,67.25
  text "5" at 131.75,65.25 h1.75
Layer 6 PWR:
  pour cut-out: 125.25,67.25 125.25,64.75 135.25,64.75 135.25,67.25
  text "6" at 133.25,65.25 h1.75
Multi-Layer:
  pour cut-out: 45,65 54,65 54,65.3 45,65.3
  pour cut-out: 135,135 126,135 126,134.7 135,134.7
  pour cut-out: 45,135 54,135 54,134.7 45,134.7

## Silkscreen, mask and mechanical layers (free items; w line width, h text height)
Top Overlay:
  drawing of 3 lines, arcs and shapes, not listed
  text "Charles Surianto" at 90.139,134.272 h2.1 r270
  text "6" at 50.5,131.75 h3
  text "5" at 57,131.75 h3
  text "4" at 63.5,131.75 h3
  text "3" at 70,131.75 h3
  text "2" at 76.5,131.75 h3
  text "1" at 83,131.75 h3
  text "G P N V" at 61.167,122.564 h2 r270
  text "PropMark V2" at 87.888,107.429 h2.1 r270
  text "USB" at 53.5,98.125 h2
  text "V D C G" at 59.773,92.667 h2
  text "V D" at 86.667,86.46 h2 r270
  text "C G" at 86.668,81.256 h2 r270
  text "SD" at 57.75,74.625 h2
  text "BOOT" at 59.75,71.875 h1.75
  text "COM" at 53.5,69.875 h2
  text "RESET" at 59.75,67.875 h1.75
Bottom Overlay:
  pour cut-out: 122.75,121 124.25,121 124.25,121.75 125.25,122.75 125.25,121 126.75,121 126.75,120 125.25,120 125.25,119.25 124.25,118.25 124.25,120 122.75,120
  pour cut-out: 124.25,131 125.25,132 125.25,128.5 124.25,127.5
  text "12S 60A" at 133.75,116.5 h3 r90
Mechanical 1:
  the board outline again, w0.1